# KiCad board SUPAAAA_KEYBOARD.kicad_pcb (continued)
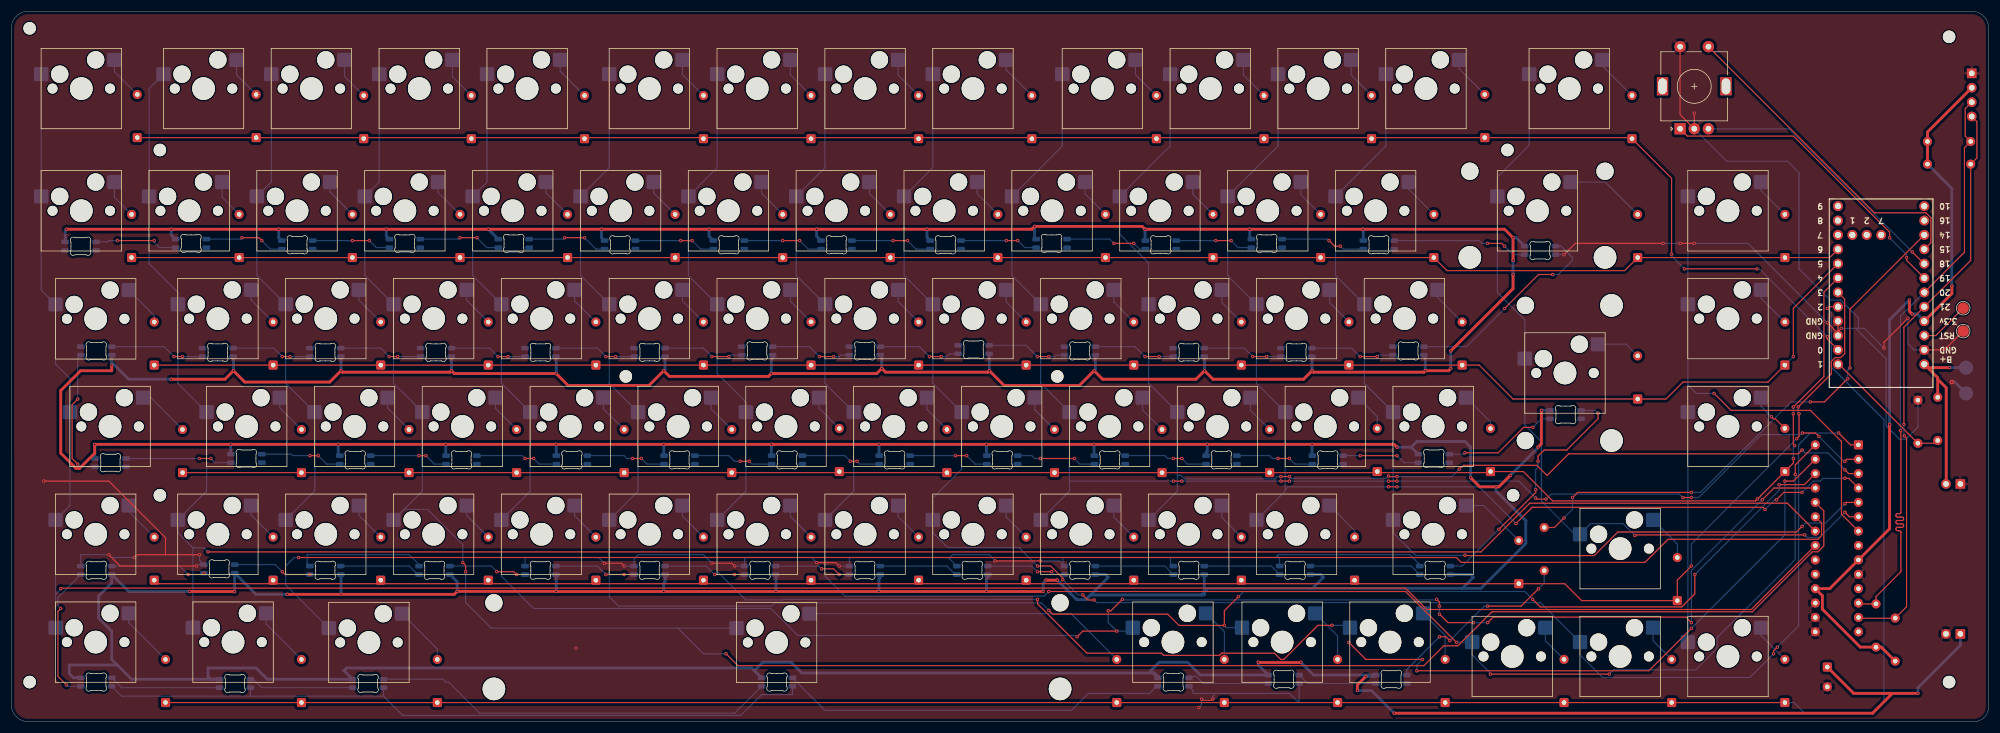
[diagram p0: board, top side]
## Routing (per net, layer and track width the routed paths; a pad name or vN(x,y) marks a point on that pad's centre or on a via; arc(x,y) is an arc through that point) (continued)
Net-(D32-A): length 7.3
  Bottom w0.2: D32.2 61.38,74.48 SW32.2
Net-(D33-A): length 7.2
  Bottom w0.2: SW33.2 80.43,74.43 D33.2
Net-(D34-A): length 7.2
  Bottom w0.2: SW34.2 99.48,74.38 D34.2
Net-(D35-A): length 7.2
  Bottom w0.2: SW35.2 118.53,74.33 D35.2
Net-(D36-A): length 7.2
  Bottom w0.2: D36.2 137.58,74.28 SW36.2
Net-(D37-A): length 7.2
  Bottom w0.2: D37.2 156.63,74.23 SW37.2
Net-(D38-A): length 7.1
  Bottom w0.2: SW38.2 175.68,74.18 D38.2
Net-(D39-A): length 7.1
  Bottom w0.2: D39.2 194.73,74.13 SW39.2
Net-(D40-A): length 7.1
  Bottom w0.2: SW40.2 213.78,74.08 D40.2
Net-(D41-A): length 7.1
  Bottom w0.2: D41.2 232.83,74.03 SW41.2
Net-(D42-A): length 7.5
  Bottom w0.2: SW42.2 251.88,74.98 D42.2
Net-(D43-A): length 7.9
  Bottom w0.2: SW43.2 285.18,66.68 D43.2
Net-(D44-A): length 7.4
  Bottom w0.2: D44.2 309.03,74.83 SW44.2
Net-(D45-A): length 9.3
  Bottom w0.2: SW45.2 24.62,57.24 D45.2
Net-(D46-A): length 7.2
  Bottom w0.2: SW46.2 47.41,55.45 D46.2
Net-(D47-A): length 7.2
  Bottom w0.2: D47.2 66.46,55.4 SW47.2
Net-(D48-A): length 7.2
  Bottom w0.2: D48.2 85.51,55.35 SW48.2
Net-(D49-A): length 7.1
  Bottom w0.2: D49.2 104.56,55.3 SW49.2
Net-(D50-A): length 7.1
  Bottom w0.2: D50.2 123.61,55.25 SW50.2
Net-(D51-A): length 6.9
  Bottom w0.2: SW51.2 142.66,55.39 D51.2
Net-(D52-A): length 7.1
  Bottom w0.2: D52.2 161.71,55.15 SW52.2
Net-(D53-A): length 7.1
  Bottom w0.2: SW53.2 180.76,55.1 D53.2
Net-(D54-A): length 7
  Bottom w0.2: D54.2 199.81,55.05 SW54.2
Net-(D55-A): length 7
  Bottom w0.2: D55.2 218.86,55 SW55.2
Net-(D56-A): length 6.8
  Bottom w0.2: D56.2 241.24,53.91 SW56.2
Net-(D57-A): length 7.2
  Bottom w0.2: SW57.2 261.24,52.96 D57.2
Net-(D58-A): length 7.4
  Top w0.2: v1(310.86,53.87) 311.23,53.5 311.55,53.5 D58.2
  Bottom w0.2: SW58.2 309.03,55.7 v1(310.86,53.87)
Net-(D59-A): length 7.4
  Bottom w0.2: D59.2 20.74,37.12 SW59.2
Net-(D60-A): length 7.2
  Bottom w0.2: D60.2 42.33,36.53 SW60.2
Net-(D61-A): length 7.2
  Bottom w0.2: D61.2 61.38,36.48 SW61.2
Net-(D62-A): length 7.1
  Bottom w0.2: D62.2 80.43,36.43 SW62.2
Net-(D63-A): length 7.1
  Bottom w0.2: D63.2 99.48,36.38 SW63.2
Net-(D64-A): length 7.1
  Bottom w0.2: D64.2 118.53,36.33 SW64.2
Net-(D65-A): length 7.1
  Bottom w0.2: SW65.2 137.58,36.28 D65.2
Net-(D66-A): length 7.1
  Bottom w0.2: SW66.2 156.63,36.23 D66.2
Net-(D67-A): length 7
  Bottom w0.2: SW67.2 175.68,36.18 D67.2
Net-(D68-A): length 7
  Bottom w0.2: D68.2 194.73,36.13 SW68.2
Net-(D69-A): length 7
  Bottom w0.2: SW69.2 213.78,36.08 D69.2
Net-(D70-A): length 7.4
  Bottom w0.2: D70.2 237.24,33.78 SW70.2
Net-(D71-A): length 11.8
  Bottom w0.2: SW71.2 260.05,38.19 D71.2
Net-(D72-A): length 9
  Bottom w0.2: 290.59,35.65 SW72.2 294.24,31.39 D72.2
Net-(D73-A): length 7.3
  Bottom w0.2: SW73.2 309.03,15.21 D73.2
Net-(D74-A): length 10.8
  Bottom w0.2: SW74.2 20.74,17.5 D74.2
Net-(D75-A): length 10.7
  Bottom w0.2: D75.2 45,17.24 SW75.2
Net-(D76-A): length 10.7
  Bottom w0.2: D76.2 75.24,12.84 SW76.2
Net-(D77-A): length 57.6
  Bottom w0.2: SW77.2 187.16,19.08 D77.2
Net-(D78-A): length 9.5
  Bottom w0.2: SW78.2 214.24,15.9 D78.2
Net-(D79-A): length 9.8
  Bottom w0.2: SW79.2 234.24,15.19 D79.2
Net-(D80-A): length 9.8
  Bottom w0.2: D80.2 253.24,15.24 SW80.2
Net-(D81-A): length 7
  Bottom w0.2: SW81.2 270.93,14.31 D81.2
Net-(D82-A): length 6.9
  Bottom w0.2: D82.2 289.98,14.26 SW82.2
Net-(LD1-DIN): length 34.3
  Top w0.2: v1(269.73,23.5) 266.65,20.41 v1(260.73,20.41) ; v1(252.23,15) 253.39,15 v1(254.06,14.33)
  Bottom w0.2: v1(254.06,14.33) 260.15,20.41 v1(260.73,20.41) ; R1.2 270.73,24.5 v1(269.73,23.5) ; LD1.2 246.46,9.22 v1(252.23,15)
Net-(LD1-DOUT): length 14.2
  Bottom w0.2: LD2.2 228.96,6.75 LD1.4
Net-(LD2-DOUT): length 14.6
  Bottom w0.2: 207.96,8 209.23,8 210.48,6.75 LD2.4
Net-(LD3-DOUT): length 68.8
  Bottom w0.2: 202.51,6.5 201.01,5 190.23,5 187.23,2 143.71,2 LD4.2
Net-(LD4-DOUT): length 71.2
  Bottom w0.2: LD4.4 127.76,1.5 82.73,1.5 77.23,7 76.73,7 76.23,7.5 LD5.2
Net-(LD5-DOUT): length 18.7
  Bottom w0.2: LD6.2 42.73,7.5 44.23,6 LD5.4
Net-(LD6-DOUT): length 19.8
  Bottom w0.2: LD6.4 19.48,6 LD7.2
Net-(LD7-DOUT): length 24.9
  Top w0.2: v1(9.73,6.5) 8.23,8 8.23,19.5 v1(8.73,20)
  Bottom w0.2: v1(8.73,20) 8.21,20.52 8.21,21.93 LD8.2 ; LD7.4 9.98,6.25 v1(9.73,6.5)
Net-(LD8-DOUT): length 17
  Top w0.2: v1(34.01,26.25) 33.76,26 v1(31.23,26)
  Bottom w0.2: v1(31.23,26) 29.73,27.5 LD8.4
Net-(LD10-DIN): length 14
  Top w0.2: v1(47.85,26.5) 48.35,26 v1(52.73,26)
  Bottom w0.2: LD9.4 46.6,27.75 v1(47.85,26.5)
Net-(LD10-DOUT): length 14.5
  Bottom w0.2: LD10.4 70.26,27.5 72.01,25.75
Net-(LD11-DOUT): length 13.9
  Top w0.2: v1(89.23,26) 88.73,26.5 v1(85.73,26.5)
  Bottom w0.2: v1(85.73,26.5) 84.73,27.5 LD11.4 ; v1(89.23,26) LD12.2
Net-(LD12-DOUT): length 14.4
  Top w0.2: v1(105,26) v1(108.23,26)
  Bottom w0.2: v1(108.23,26) LD13.2 ; v1(105,26) 103.5,27.5 LD12.4
Net-(LD13-DOUT): length 14.7
  Top w0.2: v1(124.23,26) v1(127.73,26)
  Bottom w0.2: v1(127.73,26) LD14.2 ; v1(124.23,26) 122.73,27.5 LD13.4
Net-(LD14-DOUT): length 13.7
  Top w0.2: v1(143.1,27) 145.23,27 v1(146.23,26)
  Bottom w0.2: v1(143.1,27) 142.6,27.5 LD14.4 ; v1(146.23,26) LD15.2
Net-(LD15-DOUT): length 14.3
  Bottom w0.2: 167.01,25.75 165.26,27.5 LD15.4
Net-(LD16-DOUT): length 14.2
  Top w0.2: v1(181.23,26.5) v1(183.73,26.5)
  Bottom w0.2: v1(181.23,26.5) 180.23,27.5 LD16.4 ; v1(183.73,26.5) 184.23,26 LD17.2
Net-(LD17-DOUT): length 14.4
  Bottom w0.2: LD18.2 203.73,27.5 LD17.4
Net-(LD18-DOUT): length 13.9
  Bottom w0.2: LD19.2 222.51,27.5 LD18.4
Net-(LD19-DOUT): length 19.9
  Bottom w0.2: LD19.4 247.23,27.5 LD20.2
Net-(LD20-DOUT): length 44.5
  Top w0.2: v1(280.23,54.5) 280.23,53.5 274.73,48 270.73,48 269.64,46.91 v1(269.64,46) ; v1(269.23,41) 269.23,40.5 v1(262.73,34)
  Bottom w0.2: v1(262.73,34) 256.23,27.5 LD20.4 ; v1(269.23,41) 269.23,44.5 269.64,44.91 v1(269.64,46) ; v1(280.23,54.5) 279.73,55 LD21.2
Net-(LD21-DOUT): length 20.4
  Top w0.2: v1(268.73,52) 267.09,52 262.59,47.5 v1(256.73,47.5)
  Bottom w0.2: LD21.4 270.23,53.5 v1(268.73,52) ; v1(256.73,47.5) 256.48,47.25 LD22.2
Net-(LD22-DOUT): length 13.8
  Top w0.2: v1(244.73,47) v1(238.23,47)
  Bottom w0.2: v1(244.73,47) 245.98,45.75 LD22.4 ; v1(238.23,47) LD23.2
Net-(LD23-DOUT): length 13.9
  Top w0.2: v1(225.73,46.5) v1(223.73,46.5)
  Bottom w0.2: v1(225.73,46.5) 226.73,45.5 LD23.4 ; LD24.2 222.23,47 222.73,46.5 v1(223.73,46.5)
Net-(LD24-DOUT): length 14.9
  Top w0.2: v1(206.73,46.5) v1(205.23,46.5)
  Bottom w0.2: LD24.4 207.73,45.5 v1(206.73,46.5) ; v1(205.23,46.5) 204.23,46.5 203.73,47 LD25.2
Net-(LD25-DOUT): length 14.2
  Top w0.2: v1(187.73,46.5) v1(181.73,46.5)
  Bottom w0.2: v1(187.73,46.5) 188.73,45.5 LD25.4 ; v1(181.73,46.5) 180.73,46.5 180.23,47 LD26.2
Net-(LD26-DOUT): length 14.2
  Top w0.2: v1(168.73,47) v1(166.73,47)
  Bottom w0.2: LD26.4 170.23,45.5 v1(168.73,47) ; v1(166.73,47) LD27.2
Net-(LD27-DOUT): length 14.2
  Top w0.2: v1(149.38,46) v1(148.18,46)
  Bottom w0.2: v1(149.38,46) 149.88,45.5 LD27.4 ; LD28.2 147.18,47 v1(148.18,46)
Net-(LD28-DOUT): length 14.2
  Top w0.2: v1(130.33,46) v1(128.73,46)
  Bottom w0.2: v1(130.33,46) 130.83,45.5 LD28.4 ; v1(128.73,46) 127.73,46 126.73,47 LD29.2
Net-(LD29-DOUT): length 14.2
  Top w0.2: v1(111.28,46.5) v1(109.73,46.5)
  Bottom w0.2: v1(111.28,46.5) 112.28,45.5 LD29.4 ; v1(109.73,46.5) 108.73,46.5 108.23,47 LD30.2
Net-(LD30-DOUT): length 14.7
  Top w0.2: v1(92.23,46.5) v1(90.73,46.5)
  Bottom w0.2: v1(90.73,46.5) 90.23,47 LD31.2 ; LD30.4 93.23,45.5 v1(92.23,46.5)
Net-(LD31-DOUT): length 13.9
  Top w0.2: v1(73.23,47) v1(71.98,47)
  Bottom w0.2: LD31.4 74.73,45.5 v1(73.23,47) ; v1(71.98,47) LD32.2
Net-(LD32-DOUT): length 14.5
  Top w0.2: v1(54.2,47) v1(52.73,47)
  Bottom w0.2: LD33.2 49.48,47.25 49.73,47 v1(52.73,47) ; LD32.4 55.7,45.5 v1(54.2,47)
Net-(LD33-DOUT): length 18.9
  Top w0.2: v1(35.23,46.5) v1(33.23,46.5)
  Bottom w0.2: v1(35.23,46.5) 35.98,45.75 LD33.4 ; v1(33.23,46.5) LD34.2
Net-(LD34-DOUT): length 23.6
  Top w0.2: v1(11.73,57) 10.73,56 10.73,46.5 v1(11.73,45.5)
  Bottom w0.2: v1(11.73,45.5) 12.23,45 LD34.4 ; v1(11.73,57) 11.73,64.2 LD35.2
Net-(LD35-DOUT): length 16.7
  Top w0.2: v1(28.73,64.5) v1(30.23,64.5)
  Bottom w0.2: v1(30.23,64.5) LD36.2 ; v1(28.73,64.5) 26.98,66.25 LD35.4
Net-(LD36-DOUT): length 14.2
  Top w0.2: v1(47.85,64.5) v1(49.23,64.5)
  Bottom w0.2: LD36.4 46.35,66 v1(47.85,64.5) ; v1(49.23,64.5) LD37.2
Net-(LD37-DOUT): length 14.7
  Top w0.2: v1(66.73,64.5) v1(68.23,64.5)
  Bottom w0.2: v1(66.73,64.5) 65.23,66 LD37.4 ; v1(68.23,64.5) LD38.2
Net-(LD38-DOUT): length 13.6
  Top w0.2: v1(85.95,64.5) v1(87.73,64.5)
  Bottom w0.2: v1(85.95,64.5) 84.45,66 LD38.4 ; v1(87.73,64.5) LD39.2
Net-(LD39-DOUT): length 14.4
  Top w0.2: v1(105,64.5) v1(106.73,64.5)
  Bottom w0.2: v1(105,64.5) 103.5,66 LD39.4 ; v1(106.73,64.5) LD40.2
Net-(LD40-DOUT): length 14.3
  Top w0.2: v1(123.73,64.5) v1(126.73,64.5)
  Bottom w0.2: v1(126.73,64.5) 126.98,64.75 LD41.2 ; v1(123.73,64.5) 122.23,66 LD40.4
Net-(LD41-DOUT): length 14.4
  Top w0.2: v1(142.73,64.5) v1(145.23,64.5)
  Bottom w0.2: v1(142.73,64.5) 140.98,66.25 LD41.4 ; LD42.2 146.48,64.75 146.23,64.5 v1(145.23,64.5)
Net-(LD42-DOUT): length 14.7
  Top w0.2: v1(162.15,64.5) v1(164.23,64.5)
  Bottom w0.2: v1(164.23,64.5) 165.23,64.5 165.73,65 LD43.2 ; v1(162.15,64.5) 160.4,66.25 LD42.4
Net-(LD43-DOUT): length 14.3
  Top w0.2: v1(181.2,64.5) v1(183.23,64.5)
  Bottom w0.2: v1(181.2,64.5) 179.2,66.5 LD43.4 ; v1(183.23,64.5) 184.23,64.5 184.48,64.75 LD44.2
Net-(LD44-DOUT): length 14.5
  Top w0.2: v1(200.23,64.5) v1(202.73,64.5)
  Bottom w0.2: v1(202.73,64.5) LD45.2 ; LD44.4 198.48,66.25 v1(200.23,64.5)
Net-(LD45-DOUT): length 14.2
  Top w0.2: v1(219.23,64.5) v1(221.73,64.5)
  Bottom w0.2: v1(221.73,64.5) LD46.2 ; LD45.4 217.73,66 v1(219.23,64.5)
Net-(LD46-DOUT): length 15
  Top w0.2: v1(238.23,64.5) v1(241.23,64.5)
  Bottom w0.2: LD47.2 241.48,64.75 v1(241.23,64.5) ; v1(238.23,64.5) 236.73,66 LD46.4
Net-(LD47-DOUT): length 36.9
  Top w0.2: v1(263.73,73) 269.73,79 v1(272.23,79)
  Bottom w0.2: LD48.2 273.73,84 275.73,82 275.73,81.5 273.23,79 v1(272.23,79) ; v1(263.73,73) 256.98,66.25 LD47.4
Net-(LD48-DOUT): length 24.1
  Top w0.2: v1(263.73,84) 263.23,84.5 v1(260.73,84.5)
  Bottom w0.2: v1(263.73,84) 265.23,82.5 LD48.4 ; LD49.2 259.23,85 259.73,84.5 v1(260.73,84.5)
Net-(LD49-DOUT): length 15
  Top w0.2: v1(234.73,84) 233.73,84 v1(232.73,85)
  Bottom w0.2: LD49.4 235.23,83.5 v1(234.73,84) ; LD50.2 232.48,85.25 v1(232.73,85)
Net-(LD50-DOUT): length 13.8
  Top w0.2: v1(215.42,85) v1(212.73,85)
  Bottom w0.2: v1(212.73,85) LD51.2 ; LD50.4 216.67,83.75 v1(215.42,85)
Net-(LD51-DOUT): length 14.6
  Top w0.2: v1(198.24,84.51) 194.74,84.51 v1(194.73,84.5)
  Bottom w0.2: v1(194.73,84.5) 193.98,85.25 LD52.2 ; LD51.4 199.24,83.5 v1(198.24,84.51)
Net-(LD52-DOUT): length 13.8
  Top w0.2: v1(177.73,85) v1(175.73,85)
  Bottom w0.2: LD52.4 178.98,83.75 v1(177.73,85) ; v1(175.73,85) LD53.2
Net-(LD53-DOUT): length 14.4
  Top w0.2: v1(158.27,85) v1(155.73,85)
  Bottom w0.2: v1(158.27,85) 159.77,83.5 LD53.4 ; v1(155.73,85) LD54.2
Net-(LD54-DOUT): length 14.2
  Top w0.2: v1(139.23,85) v1(136.23,85)
  Bottom w0.2: v1(139.23,85) 140.73,83.5 LD54.4 ; v1(136.23,85) LD55.2
Net-(LD55-DOUT): length 14.4
  Top w0.2: v1(120.23,85) v1(118.23,85)
  Bottom w0.2: LD55.4 121.73,83.5 v1(120.23,85) ; v1(118.23,85) LD56.2
Net-(LD56-DOUT): length 14.3
  Top w0.2: v1(101.23,85.5) v1(97.73,85.5)
  Bottom w0.2: LD57.2 97.48,85.25 v1(97.73,85.5) ; v1(101.23,85.5) 103.23,83.5 LD56.4
Net-(LD57-DOUT): length 14.6
  Top w0.2: v1(82.23,85.5) v1(79.23,85.5)
  Bottom w0.2: LD57.4 83.98,83.75 v1(82.23,85.5) ; LD58.2 78.98,85.25 v1(79.23,85.5)
Net-(LD58-DOUT): length 14.1
  Top w0.2: v1(63.23,85) v1(60.23,85)
  Bottom w0.2: v1(63.23,85) 64.48,83.75 LD58.4 ; v1(60.23,85) LD59.2
Net-(LD59-DOUT): length 14.3
  Top w0.2: v1(44.23,85) 43.73,85.5 v1(40.73,85.5)
  Bottom w0.2: LD59.4 45.73,83.5 v1(44.23,85) ; LD60.2 40.48,85.25 v1(40.73,85.5)
Net-(LD60-DOUT): length 14.9
  Top w0.2: v1(25.23,85) v1(18.73,85)
  Bottom w0.2: v1(18.73,85) 17.23,85 16.98,84.75 LD61.2 ; v1(25.23,85) 25.23,84.69 26.17,83.75 LD60.4

## Copper pours and planes (outline as drawn; the poured copper is in the pictures)
GND on Top, Bottom: -16.25,138.2 -17.25,-33.3 359.75,-24.8 356.75,136.2
